# KiCad board panel.opm-lowside.kicad_pcb (continued)
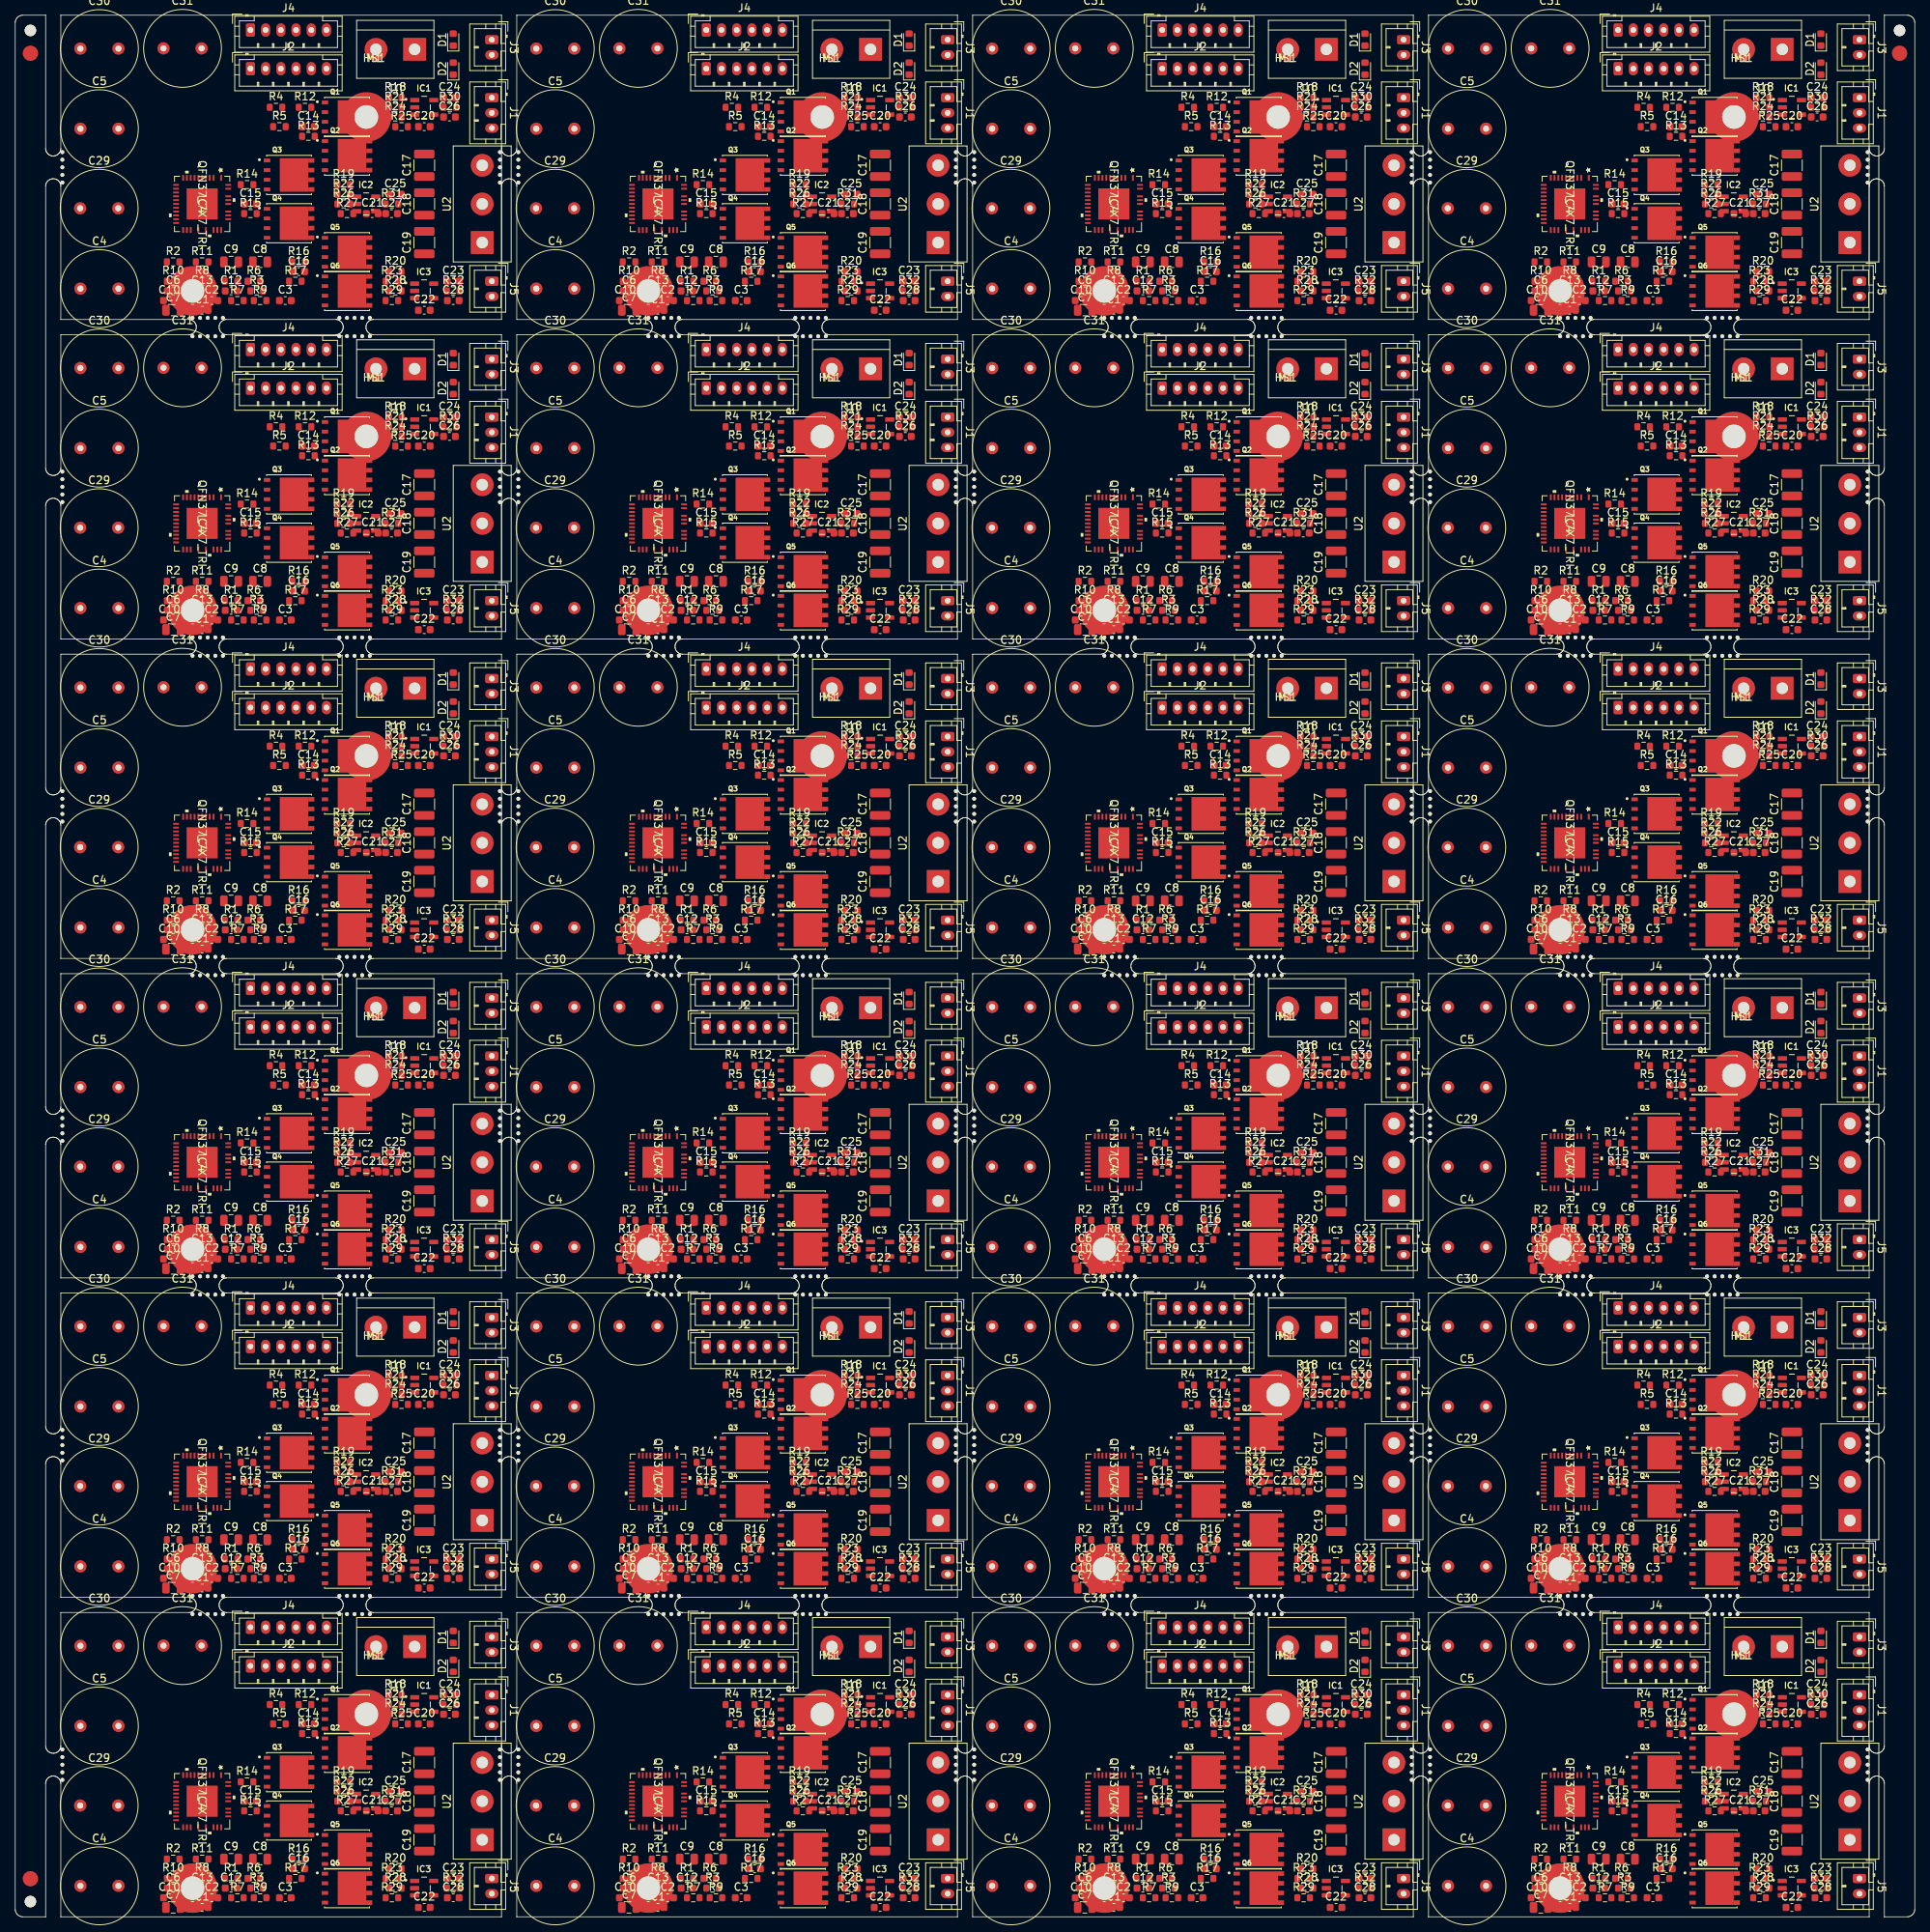
[diagram p0: board, top side]
## Placement (name value [footprint] x y rotation side) (continued)
C13#5  100nF/100V  [C_0603_1608Metric]  24.58 171.73 0 top
C13#6  100nF/100V  [C_0603_1608Metric]  84.53 171.73 0 top
C13#7  100nF/100V  [C_0603_1608Metric]  144.48 171.73 0 top
C13#8  100nF/100V  [C_0603_1608Metric]  204.43 171.73 0 top
C13#9  100nF/100V  [C_0603_1608Metric]  24.58 129.74 0 top
C13#10  100nF/100V  [C_0603_1608Metric]  84.53 129.74 0 top
C13#11  100nF/100V  [C_0603_1608Metric]  144.48 129.74 0 top
C13#12  100nF/100V  [C_0603_1608Metric]  204.43 129.74 0 top
C13#13  100nF/100V  [C_0603_1608Metric]  24.58 87.75 0 top
C13#14  100nF/100V  [C_0603_1608Metric]  84.53 87.75 0 top
C13#15  100nF/100V  [C_0603_1608Metric]  144.48 87.75 0 top
C13#16  100nF/100V  [C_0603_1608Metric]  204.43 87.75 0 top
C13#17  100nF/100V  [C_0603_1608Metric]  24.58 45.76 0 top
C13#18  100nF/100V  [C_0603_1608Metric]  84.53 45.76 0 top
C13#19  100nF/100V  [C_0603_1608Metric]  144.48 45.76 0 top
C13#20  100nF/100V  [C_0603_1608Metric]  204.43 45.76 0 top
C13#21  100nF/100V  [C_0603_1608Metric]  24.58 3.77 0 top
C13#22  100nF/100V  [C_0603_1608Metric]  84.53 3.77 0 top
C13#23  100nF/100V  [C_0603_1608Metric]  144.48 3.77 0 top
C13#24  100nF/100V  [C_0603_1608Metric]  204.43 3.77 0 top
C14  470nF/16V  [C_0603_1608Metric]  38.55 235.31 0 top
C14#2  470nF/16V  [C_0603_1608Metric]  98.5 235.31 0 top
C14#3  470nF/16V  [C_0603_1608Metric]  158.45 235.31 0 top
C14#4  470nF/16V  [C_0603_1608Metric]  218.4 235.31 0 top
C14#5  470nF/16V  [C_0603_1608Metric]  38.55 193.32 0 top
C14#6  470nF/16V  [C_0603_1608Metric]  98.5 193.32 0 top
C14#7  470nF/16V  [C_0603_1608Metric]  158.45 193.32 0 top
C14#8  470nF/16V  [C_0603_1608Metric]  218.4 193.32 0 top
C14#9  470nF/16V  [C_0603_1608Metric]  38.55 151.33 0 top
C14#10  470nF/16V  [C_0603_1608Metric]  98.5 151.33 0 top
C14#11  470nF/16V  [C_0603_1608Metric]  158.45 151.33 0 top
C14#12  470nF/16V  [C_0603_1608Metric]  218.4 151.33 0 top
C14#13  470nF/16V  [C_0603_1608Metric]  38.55 109.34 0 top
C14#14  470nF/16V  [C_0603_1608Metric]  98.5 109.34 0 top
C14#15  470nF/16V  [C_0603_1608Metric]  158.45 109.34 0 top
C14#16  470nF/16V  [C_0603_1608Metric]  218.4 109.34 0 top
C14#17  470nF/16V  [C_0603_1608Metric]  38.55 67.35 0 top
C14#18  470nF/16V  [C_0603_1608Metric]  98.5 67.35 0 top
C14#19  470nF/16V  [C_0603_1608Metric]  158.45 67.35 0 top
C14#20  470nF/16V  [C_0603_1608Metric]  218.4 67.35 0 top
C14#21  470nF/16V  [C_0603_1608Metric]  38.55 25.36 0 top
C14#22  470nF/16V  [C_0603_1608Metric]  98.5 25.36 0 top
C14#23  470nF/16V  [C_0603_1608Metric]  158.45 25.36 0 top
C14#24  470nF/16V  [C_0603_1608Metric]  218.4 25.36 0 top
C15  470nF/16V  [C_0603_1608Metric]  30.93 225.15 0 top
C15#2  470nF/16V  [C_0603_1608Metric]  90.88 225.15 0 top
C15#3  470nF/16V  [C_0603_1608Metric]  150.83 225.15 0 top
C15#4  470nF/16V  [C_0603_1608Metric]  210.78 225.15 0 top
C15#5  470nF/16V  [C_0603_1608Metric]  30.93 183.16 0 top
C15#6  470nF/16V  [C_0603_1608Metric]  90.88 183.16 0 top
C15#7  470nF/16V  [C_0603_1608Metric]  150.83 183.16 0 top
C15#8  470nF/16V  [C_0603_1608Metric]  210.78 183.16 0 top
C15#9  470nF/16V  [C_0603_1608Metric]  30.93 141.17 0 top
C15#10  470nF/16V  [C_0603_1608Metric]  90.88 141.17 0 top
C15#11  470nF/16V  [C_0603_1608Metric]  150.83 141.17 0 top
C15#12  470nF/16V  [C_0603_1608Metric]  210.78 141.17 0 top
C15#13  470nF/16V  [C_0603_1608Metric]  30.93 99.18 0 top
C15#14  470nF/16V  [C_0603_1608Metric]  90.88 99.18 0 top
C15#15  470nF/16V  [C_0603_1608Metric]  150.83 99.18 0 top
C15#16  470nF/16V  [C_0603_1608Metric]  210.78 99.18 0 top
C15#17  470nF/16V  [C_0603_1608Metric]  30.93 57.19 0 top
C15#18  470nF/16V  [C_0603_1608Metric]  90.88 57.19 0 top
C15#19  470nF/16V  [C_0603_1608Metric]  150.83 57.19 0 top
C15#20  470nF/16V  [C_0603_1608Metric]  210.78 57.19 0 top
C15#21  470nF/16V  [C_0603_1608Metric]  30.93 15.2 0 top
C15#22  470nF/16V  [C_0603_1608Metric]  90.88 15.2 0 top
C15#23  470nF/16V  [C_0603_1608Metric]  150.83 15.2 0 top
C15#24  470nF/16V  [C_0603_1608Metric]  210.78 15.2 0 top
C16  470nF/16V  [C_0603_1608Metric]  37.28 216.26 0 top
C16#2  470nF/16V  [C_0603_1608Metric]  97.23 216.26 0 top
C16#3  470nF/16V  [C_0603_1608Metric]  157.18 216.26 0 top
C16#4  470nF/16V  [C_0603_1608Metric]  217.13 216.26 0 top
C16#5  470nF/16V  [C_0603_1608Metric]  37.28 174.27 0 top
C16#6  470nF/16V  [C_0603_1608Metric]  97.23 174.27 0 top
C16#7  470nF/16V  [C_0603_1608Metric]  157.18 174.27 0 top
C16#8  470nF/16V  [C_0603_1608Metric]  217.13 174.27 0 top
C16#9  470nF/16V  [C_0603_1608Metric]  37.28 132.28 0 top
C16#10  470nF/16V  [C_0603_1608Metric]  97.23 132.28 0 top
C16#11  470nF/16V  [C_0603_1608Metric]  157.18 132.28 0 top
C16#12  470nF/16V  [C_0603_1608Metric]  217.13 132.28 0 top
C16#13  470nF/16V  [C_0603_1608Metric]  37.28 90.29 0 top
C16#14  470nF/16V  [C_0603_1608Metric]  97.23 90.29 0 top
C16#15  470nF/16V  [C_0603_1608Metric]  157.18 90.29 0 top
C16#16  470nF/16V  [C_0603_1608Metric]  217.13 90.29 0 top
C16#17  470nF/16V  [C_0603_1608Metric]  37.28 48.3 0 top
C16#18  470nF/16V  [C_0603_1608Metric]  97.23 48.3 0 top
C16#19  470nF/16V  [C_0603_1608Metric]  157.18 48.3 0 top
C16#20  470nF/16V  [C_0603_1608Metric]  217.13 48.3 0 top
C16#21  470nF/16V  [C_0603_1608Metric]  37.28 6.31 0 top
C16#22  470nF/16V  [C_0603_1608Metric]  97.23 6.31 0 top
C16#23  470nF/16V  [C_0603_1608Metric]  157.18 6.31 0 top
C16#24  470nF/16V  [C_0603_1608Metric]  217.13 6.31 0 top
C17  2.2μF/100V  [C_1210_3225Metric]  53.79 230.23 90 top
C17#2  2.2μF/100V  [C_1210_3225Metric]  113.74 230.23 90 top
C17#3  2.2μF/100V  [C_1210_3225Metric]  173.69 230.23 90 top
C17#4  2.2μF/100V  [C_1210_3225Metric]  233.64 230.23 90 top
C17#5  2.2μF/100V  [C_1210_3225Metric]  53.79 188.24 90 top
C17#6  2.2μF/100V  [C_1210_3225Metric]  113.74 188.24 90 top
C17#7  2.2μF/100V  [C_1210_3225Metric]  173.69 188.24 90 top
C17#8  2.2μF/100V  [C_1210_3225Metric]  233.64 188.24 90 top
C17#9  2.2μF/100V  [C_1210_3225Metric]  53.79 146.25 90 top
C17#10  2.2μF/100V  [C_1210_3225Metric]  113.74 146.25 90 top
C17#11  2.2μF/100V  [C_1210_3225Metric]  173.69 146.25 90 top
C17#12  2.2μF/100V  [C_1210_3225Metric]  233.64 146.25 90 top
C17#13  2.2μF/100V  [C_1210_3225Metric]  53.79 104.26 90 top
C17#14  2.2μF/100V  [C_1210_3225Metric]  113.74 104.26 90 top
C17#15  2.2μF/100V  [C_1210_3225Metric]  173.69 104.26 90 top
C17#16  2.2μF/100V  [C_1210_3225Metric]  233.64 104.26 90 top
C17#17  2.2μF/100V  [C_1210_3225Metric]  53.79 62.27 90 top
C17#18  2.2μF/100V  [C_1210_3225Metric]  113.74 62.27 90 top
C17#19  2.2μF/100V  [C_1210_3225Metric]  173.69 62.27 90 top
C17#20  2.2μF/100V  [C_1210_3225Metric]  233.64 62.27 90 top
C17#21  2.2μF/100V  [C_1210_3225Metric]  53.79 20.28 90 top
C17#22  2.2μF/100V  [C_1210_3225Metric]  113.74 20.28 90 top
C17#23  2.2μF/100V  [C_1210_3225Metric]  173.69 20.28 90 top
C17#24  2.2μF/100V  [C_1210_3225Metric]  233.64 20.28 90 top
C18  2,2μF/100V  [C_1210_3225Metric]  53.79 225.15 90 top
C18#2  2,2μF/100V  [C_1210_3225Metric]  113.74 225.15 90 top
C18#3  2,2μF/100V  [C_1210_3225Metric]  173.69 225.15 90 top
C18#4  2,2μF/100V  [C_1210_3225Metric]  233.64 225.15 90 top
C18#5  2,2μF/100V  [C_1210_3225Metric]  53.79 183.16 90 top
C18#6  2,2μF/100V  [C_1210_3225Metric]  113.74 183.16 90 top
C18#7  2,2μF/100V  [C_1210_3225Metric]  173.69 183.16 90 top
C18#8  2,2μF/100V  [C_1210_3225Metric]  233.64 183.16 90 top
C18#9  2,2μF/100V  [C_1210_3225Metric]  53.79 141.17 90 top
C18#10  2,2μF/100V  [C_1210_3225Metric]  113.74 141.17 90 top
C18#11  2,2μF/100V  [C_1210_3225Metric]  173.69 141.17 90 top
C18#12  2,2μF/100V  [C_1210_3225Metric]  233.64 141.17 90 top
C18#13  2,2μF/100V  [C_1210_3225Metric]  53.79 99.18 90 top
C18#14  2,2μF/100V  [C_1210_3225Metric]  113.74 99.18 90 top
C18#15  2,2μF/100V  [C_1210_3225Metric]  173.69 99.18 90 top
C18#16  2,2μF/100V  [C_1210_3225Metric]  233.64 99.18 90 top
C18#17  2,2μF/100V  [C_1210_3225Metric]  53.79 57.19 90 top
C18#18  2,2μF/100V  [C_1210_3225Metric]  113.74 57.19 90 top
C18#19  2,2μF/100V  [C_1210_3225Metric]  173.69 57.19 90 top
C18#20  2,2μF/100V  [C_1210_3225Metric]  233.64 57.19 90 top
C18#21  2,2μF/100V  [C_1210_3225Metric]  53.79 15.2 90 top
C18#22  2,2μF/100V  [C_1210_3225Metric]  113.74 15.2 90 top
C18#23  2,2μF/100V  [C_1210_3225Metric]  173.69 15.2 90 top
C18#24  2,2μF/100V  [C_1210_3225Metric]  233.64 15.2 90 top
C19  2,2μF/100V  [C_1210_3225Metric]  53.79 220.07 90 top
C19#2  2,2μF/100V  [C_1210_3225Metric]  113.74 220.07 90 top
C19#3  2,2μF/100V  [C_1210_3225Metric]  173.69 220.07 90 top
C19#4  2,2μF/100V  [C_1210_3225Metric]  233.64 220.07 90 top
C19#5  2,2μF/100V  [C_1210_3225Metric]  53.79 178.08 90 top
C19#6  2,2μF/100V  [C_1210_3225Metric]  113.74 178.08 90 top
C19#7  2,2μF/100V  [C_1210_3225Metric]  173.69 178.08 90 top
C19#8  2,2μF/100V  [C_1210_3225Metric]  233.64 178.08 90 top
C19#9  2,2μF/100V  [C_1210_3225Metric]  53.79 136.09 90 top
C19#10  2,2μF/100V  [C_1210_3225Metric]  113.74 136.09 90 top
C19#11  2,2μF/100V  [C_1210_3225Metric]  173.69 136.09 90 top
C19#12  2,2μF/100V  [C_1210_3225Metric]  233.64 136.09 90 top
C19#13  2,2μF/100V  [C_1210_3225Metric]  53.79 94.1 90 top
C19#14  2,2μF/100V  [C_1210_3225Metric]  113.74 94.1 90 top
C19#15  2,2μF/100V  [C_1210_3225Metric]  173.69 94.1 90 top
C19#16  2,2μF/100V  [C_1210_3225Metric]  233.64 94.1 90 top
C19#17  2,2μF/100V  [C_1210_3225Metric]  53.79 52.11 90 top
C19#18  2,2μF/100V  [C_1210_3225Metric]  113.74 52.11 90 top
C19#19  2,2μF/100V  [C_1210_3225Metric]  173.69 52.11 90 top
C19#20  2,2μF/100V  [C_1210_3225Metric]  233.64 52.11 90 top
C19#21  2,2μF/100V  [C_1210_3225Metric]  53.79 10.12 90 top
C19#22  2,2μF/100V  [C_1210_3225Metric]  113.74 10.12 90 top
C19#23  2,2μF/100V  [C_1210_3225Metric]  173.69 10.12 90 top
C19#24  2,2μF/100V  [C_1210_3225Metric]  233.64 10.12 90 top
C20  3300pF  [C_0603_1608Metric]  53.79 235.31 0 top
C20#2  3300pF  [C_0603_1608Metric]  113.74 235.31 0 top
C20#3  3300pF  [C_0603_1608Metric]  173.69 235.31 0 top
C20#4  3300pF  [C_0603_1608Metric]  233.64 235.31 0 top
C20#5  3300pF  [C_0603_1608Metric]  53.79 193.32 0 top
C20#6  3300pF  [C_0603_1608Metric]  113.74 193.32 0 top
C20#7  3300pF  [C_0603_1608Metric]  173.69 193.32 0 top
C20#8  3300pF  [C_0603_1608Metric]  233.64 193.32 0 top
C20#9  3300pF  [C_0603_1608Metric]  53.79 151.33 0 top
C20#10  3300pF  [C_0603_1608Metric]  113.74 151.33 0 top
C20#11  3300pF  [C_0603_1608Metric]  173.69 151.33 0 top
C20#12  3300pF  [C_0603_1608Metric]  233.64 151.33 0 top
C20#13  3300pF  [C_0603_1608Metric]  53.79 109.34 0 top
C20#14  3300pF  [C_0603_1608Metric]  113.74 109.34 0 top
C20#15  3300pF  [C_0603_1608Metric]  173.69 109.34 0 top
C20#16  3300pF  [C_0603_1608Metric]  233.64 109.34 0 top
C20#17  3300pF  [C_0603_1608Metric]  53.79 67.35 0 top
C20#18  3300pF  [C_0603_1608Metric]  113.74 67.35 0 top
C20#19  3300pF  [C_0603_1608Metric]  173.69 67.35 0 top
C20#20  3300pF  [C_0603_1608Metric]  233.64 67.35 0 top
C20#21  3300pF  [C_0603_1608Metric]  53.79 25.36 0 top
C20#22  3300pF  [C_0603_1608Metric]  113.74 25.36 0 top
C20#23  3300pF  [C_0603_1608Metric]  173.69 25.36 0 top
C20#24  3300pF  [C_0603_1608Metric]  233.64 25.36 0 top
C21  3300pF  [C_0603_1608Metric]  46.95 223.88 0 top
C21#2  3300pF  [C_0603_1608Metric]  106.9 223.88 0 top
C21#3  3300pF  [C_0603_1608Metric]  166.85 223.88 0 top
C21#4  3300pF  [C_0603_1608Metric]  226.8 223.88 0 top
C21#5  3300pF  [C_0603_1608Metric]  46.95 181.89 0 top
C21#6  3300pF  [C_0603_1608Metric]  106.9 181.89 0 top
C21#7  3300pF  [C_0603_1608Metric]  166.85 181.89 0 top
C21#8  3300pF  [C_0603_1608Metric]  226.8 181.89 0 top
C21#9  3300pF  [C_0603_1608Metric]  46.95 139.9 0 top
C21#10  3300pF  [C_0603_1608Metric]  106.9 139.9 0 top
C21#11  3300pF  [C_0603_1608Metric]  166.85 139.9 0 top
C21#12  3300pF  [C_0603_1608Metric]  226.8 139.9 0 top
C21#13  3300pF  [C_0603_1608Metric]  46.95 97.91 0 top
C21#14  3300pF  [C_0603_1608Metric]  106.9 97.91 0 top
C21#15  3300pF  [C_0603_1608Metric]  166.85 97.91 0 top
C21#16  3300pF  [C_0603_1608Metric]  226.8 97.91 0 top
C21#17  3300pF  [C_0603_1608Metric]  46.95 55.92 0 top
C21#18  3300pF  [C_0603_1608Metric]  106.9 55.92 0 top
C21#19  3300pF  [C_0603_1608Metric]  166.85 55.92 0 top
C21#20  3300pF  [C_0603_1608Metric]  226.8 55.92 0 top
C21#21  3300pF  [C_0603_1608Metric]  46.95 13.93 0 top
C21#22  3300pF  [C_0603_1608Metric]  106.9 13.93 0 top
C21#23  3300pF  [C_0603_1608Metric]  166.85 13.93 0 top
C21#24  3300pF  [C_0603_1608Metric]  226.8 13.93 0 top
C22  3300pF  [C_0603_1608Metric]  53.79 211.18 0 top
C22#2  3300pF  [C_0603_1608Metric]  113.74 211.18 0 top
C22#3  3300pF  [C_0603_1608Metric]  173.69 211.18 0 top
C22#4  3300pF  [C_0603_1608Metric]  233.64 211.18 0 top
C22#5  3300pF  [C_0603_1608Metric]  53.79 169.19 0 top
C22#6  3300pF  [C_0603_1608Metric]  113.74 169.19 0 top
C22#7  3300pF  [C_0603_1608Metric]  173.69 169.19 0 top
C22#8  3300pF  [C_0603_1608Metric]  233.64 169.19 0 top
C22#9  3300pF  [C_0603_1608Metric]  53.79 127.2 0 top
C22#10  3300pF  [C_0603_1608Metric]  113.74 127.2 0 top
C22#11  3300pF  [C_0603_1608Metric]  173.69 127.2 0 top
C22#12  3300pF  [C_0603_1608Metric]  233.64 127.2 0 top
C22#13  3300pF  [C_0603_1608Metric]  53.79 85.21 0 top
C22#14  3300pF  [C_0603_1608Metric]  113.74 85.21 0 top
C22#15  3300pF  [C_0603_1608Metric]  173.69 85.21 0 top
C22#16  3300pF  [C_0603_1608Metric]  233.64 85.21 0 top
C22#17  3300pF  [C_0603_1608Metric]  53.79 43.22 0 top
C22#18  3300pF  [C_0603_1608Metric]  113.74 43.22 0 top
C22#19  3300pF  [C_0603_1608Metric]  173.69 43.22 0 top
C22#20  3300pF  [C_0603_1608Metric]  233.64 43.22 0 top
C22#21  3300pF  [C_0603_1608Metric]  53.79 1.23 0 top
C22#22  3300pF  [C_0603_1608Metric]  113.74 1.23 0 top
C22#23  3300pF  [C_0603_1608Metric]  173.69 1.23 0 top
C22#24  3300pF  [C_0603_1608Metric]  233.64 1.23 0 top
C23  100nF/10V  [C_0603_1608Metric]  57.6 214.99 0 top
C23#2  100nF/10V  [C_0603_1608Metric]  117.55 214.99 0 top
C23#3  100nF/10V  [C_0603_1608Metric]  177.5 214.99 0 top
C23#4  100nF/10V  [C_0603_1608Metric]  237.45 214.99 0 top
C23#5  100nF/10V  [C_0603_1608Metric]  57.6 173 0 top
C23#6  100nF/10V  [C_0603_1608Metric]  117.55 173 0 top
C23#7  100nF/10V  [C_0603_1608Metric]  177.5 173 0 top
C23#8  100nF/10V  [C_0603_1608Metric]  237.45 173 0 top
C23#9  100nF/10V  [C_0603_1608Metric]  57.6 131.01 0 top
C23#10  100nF/10V  [C_0603_1608Metric]  117.55 131.01 0 top
C23#11  100nF/10V  [C_0603_1608Metric]  177.5 131.01 0 top
C23#12  100nF/10V  [C_0603_1608Metric]  237.45 131.01 0 top
C23#13  100nF/10V  [C_0603_1608Metric]  57.6 89.02 0 top
C23#14  100nF/10V  [C_0603_1608Metric]  117.55 89.02 0 top
C23#15  100nF/10V  [C_0603_1608Metric]  177.5 89.02 0 top
C23#16  100nF/10V  [C_0603_1608Metric]  237.45 89.02 0 top
C23#17  100nF/10V  [C_0603_1608Metric]  57.6 47.03 0 top
C23#18  100nF/10V  [C_0603_1608Metric]  117.55 47.03 0 top
C23#19  100nF/10V  [C_0603_1608Metric]  177.5 47.03 0 top
C23#20  100nF/10V  [C_0603_1608Metric]  237.45 47.03 0 top
C23#21  100nF/10V  [C_0603_1608Metric]  57.6 5.04 0 top
C23#22  100nF/10V  [C_0603_1608Metric]  117.55 5.04 0 top
C23#23  100nF/10V  [C_0603_1608Metric]  177.5 5.04 0 top
C23#24  100nF/10V  [C_0603_1608Metric]  237.45 5.04 0 top
C24  100nF/10V  [C_0603_1608Metric]  57.11 239.12 0 top
C24#2  100nF/10V  [C_0603_1608Metric]  117.06 239.12 0 top
C24#3  100nF/10V  [C_0603_1608Metric]  177.01 239.12 0 top
C24#4  100nF/10V  [C_0603_1608Metric]  236.96 239.12 0 top
C24#5  100nF/10V  [C_0603_1608Metric]  57.11 197.13 0 top
C24#6  100nF/10V  [C_0603_1608Metric]  117.06 197.13 0 top
C24#7  100nF/10V  [C_0603_1608Metric]  177.01 197.13 0 top
C24#8  100nF/10V  [C_0603_1608Metric]  236.96 197.13 0 top
C24#9  100nF/10V  [C_0603_1608Metric]  57.11 155.14 0 top
C24#10  100nF/10V  [C_0603_1608Metric]  117.06 155.14 0 top
C24#11  100nF/10V  [C_0603_1608Metric]  177.01 155.14 0 top
C24#12  100nF/10V  [C_0603_1608Metric]  236.96 155.14 0 top
C24#13  100nF/10V  [C_0603_1608Metric]  57.11 113.15 0 top
C24#14  100nF/10V  [C_0603_1608Metric]  117.06 113.15 0 top
C24#15  100nF/10V  [C_0603_1608Metric]  177.01 113.15 0 top
C24#16  100nF/10V  [C_0603_1608Metric]  236.96 113.15 0 top
C24#17  100nF/10V  [C_0603_1608Metric]  57.11 71.16 0 top
C24#18  100nF/10V  [C_0603_1608Metric]  117.06 71.16 0 top
C24#19  100nF/10V  [C_0603_1608Metric]  177.01 71.16 0 top
C24#20  100nF/10V  [C_0603_1608Metric]  236.96 71.16 0 top
C24#21  100nF/10V  [C_0603_1608Metric]  57.11 29.17 0 top
C24#22  100nF/10V  [C_0603_1608Metric]  117.06 29.17 0 top
C24#23  100nF/10V  [C_0603_1608Metric]  177.01 29.17 0 top
C24#24  100nF/10V  [C_0603_1608Metric]  236.96 29.17 0 top
C25  100nF/10V  [C_0603_1608Metric]  49.98 226.42 0 top
C25#2  100nF/10V  [C_0603_1608Metric]  109.93 226.42 0 top
C25#3  100nF/10V  [C_0603_1608Metric]  169.88 226.42 0 top
C25#4  100nF/10V  [C_0603_1608Metric]  229.83 226.42 0 top
C25#5  100nF/10V  [C_0603_1608Metric]  49.98 184.43 0 top
C25#6  100nF/10V  [C_0603_1608Metric]  109.93 184.43 0 top
C25#7  100nF/10V  [C_0603_1608Metric]  169.88 184.43 0 top
C25#8  100nF/10V  [C_0603_1608Metric]  229.83 184.43 0 top
C25#9  100nF/10V  [C_0603_1608Metric]  49.98 142.44 0 top
C25#10  100nF/10V  [C_0603_1608Metric]  109.93 142.44 0 top
C25#11  100nF/10V  [C_0603_1608Metric]  169.88 142.44 0 top
C25#12  100nF/10V  [C_0603_1608Metric]  229.83 142.44 0 top
C25#13  100nF/10V  [C_0603_1608Metric]  49.98 100.45 0 top
C25#14  100nF/10V  [C_0603_1608Metric]  109.93 100.45 0 top
C25#15  100nF/10V  [C_0603_1608Metric]  169.88 100.45 0 top
C25#16  100nF/10V  [C_0603_1608Metric]  229.83 100.45 0 top
C25#17  100nF/10V  [C_0603_1608Metric]  49.98 58.46 0 top
C25#18  100nF/10V  [C_0603_1608Metric]  109.93 58.46 0 top
C25#19  100nF/10V  [C_0603_1608Metric]  169.88 58.46 0 top
C25#20  100nF/10V  [C_0603_1608Metric]  229.83 58.46 0 top
C25#21  100nF/10V  [C_0603_1608Metric]  49.98 16.47 0 top
C25#22  100nF/10V  [C_0603_1608Metric]  109.93 16.47 0 top
C25#23  100nF/10V  [C_0603_1608Metric]  169.88 16.47 0 top
C25#24  100nF/10V  [C_0603_1608Metric]  229.83 16.47 0 top
C26  1nF/16V  [C_0603_1608Metric]  57.11 236.58 0 top
C26#2  1nF/16V  [C_0603_1608Metric]  117.06 236.58 0 top
C26#3  1nF/16V  [C_0603_1608Metric]  177.01 236.58 0 top
C26#4  1nF/16V  [C_0603_1608Metric]  236.96 236.58 0 top
C26#5  1nF/16V  [C_0603_1608Metric]  57.11 194.59 0 top
C26#6  1nF/16V  [C_0603_1608Metric]  117.06 194.59 0 top
C26#7  1nF/16V  [C_0603_1608Metric]  177.01 194.59 0 top
C26#8  1nF/16V  [C_0603_1608Metric]  236.96 194.59 0 top
C26#9  1nF/16V  [C_0603_1608Metric]  57.11 152.6 0 top
C26#10  1nF/16V  [C_0603_1608Metric]  117.06 152.6 0 top
C26#11  1nF/16V  [C_0603_1608Metric]  177.01 152.6 0 top
C26#12  1nF/16V  [C_0603_1608Metric]  236.96 152.6 0 top
C26#13  1nF/16V  [C_0603_1608Metric]  57.11 110.61 0 top
C26#14  1nF/16V  [C_0603_1608Metric]  117.06 110.61 0 top
C26#15  1nF/16V  [C_0603_1608Metric]  177.01 110.61 0 top
C26#16  1nF/16V  [C_0603_1608Metric]  236.96 110.61 0 top
C26#17  1nF/16V  [C_0603_1608Metric]  57.11 68.62 0 top
C26#18  1nF/16V  [C_0603_1608Metric]  117.06 68.62 0 top
C26#19  1nF/16V  [C_0603_1608Metric]  177.01 68.62 0 top
C26#20  1nF/16V  [C_0603_1608Metric]  236.96 68.62 0 top
C26#21  1nF/16V  [C_0603_1608Metric]  57.11 26.63 0 top
C26#22  1nF/16V  [C_0603_1608Metric]  117.06 26.63 0 top
C26#23  1nF/16V  [C_0603_1608Metric]  177.01 26.63 0 top
C26#24  1nF/16V  [C_0603_1608Metric]  236.96 26.63 0 top
C27  1nF/16V  [C_0603_1608Metric]  49.49 223.88 0 top
C27#2  1nF/16V  [C_0603_1608Metric]  109.44 223.88 0 top
C27#3  1nF/16V  [C_0603_1608Metric]  169.39 223.88 0 top
C27#4  1nF/16V  [C_0603_1608Metric]  229.34 223.88 0 top
C27#5  1nF/16V  [C_0603_1608Metric]  49.49 181.89 0 top
C27#6  1nF/16V  [C_0603_1608Metric]  109.44 181.89 0 top
C27#7  1nF/16V  [C_0603_1608Metric]  169.39 181.89 0 top
C27#8  1nF/16V  [C_0603_1608Metric]  229.34 181.89 0 top
C27#9  1nF/16V  [C_0603_1608Metric]  49.49 139.9 0 top
C27#10  1nF/16V  [C_0603_1608Metric]  109.44 139.9 0 top
C27#11  1nF/16V  [C_0603_1608Metric]  169.39 139.9 0 top
C27#12  1nF/16V  [C_0603_1608Metric]  229.34 139.9 0 top
C27#13  1nF/16V  [C_0603_1608Metric]  49.49 97.91 0 top
C27#14  1nF/16V  [C_0603_1608Metric]  109.44 97.91 0 top
C27#15  1nF/16V  [C_0603_1608Metric]  169.39 97.91 0 top
C27#16  1nF/16V  [C_0603_1608Metric]  229.34 97.91 0 top
C27#17  1nF/16V  [C_0603_1608Metric]  49.49 55.92 0 top
C27#18  1nF/16V  [C_0603_1608Metric]  109.44 55.92 0 top
C27#19  1nF/16V  [C_0603_1608Metric]  169.39 55.92 0 top
C27#20  1nF/16V  [C_0603_1608Metric]  229.34 55.92 0 top
C27#21  1nF/16V  [C_0603_1608Metric]  49.49 13.93 0 top
C27#22  1nF/16V  [C_0603_1608Metric]  109.44 13.93 0 top
C27#23  1nF/16V  [C_0603_1608Metric]  169.39 13.93 0 top
C27#24  1nF/16V  [C_0603_1608Metric]  229.34 13.93 0 top
C28  1nF/16V  [C_0603_1608Metric]  57.6 212.45 0 top
C28#2  1nF/16V  [C_0603_1608Metric]  117.55 212.45 0 top
C28#3  1nF/16V  [C_0603_1608Metric]  177.5 212.45 0 top
C28#4  1nF/16V  [C_0603_1608Metric]  237.45 212.45 0 top
C28#5  1nF/16V  [C_0603_1608Metric]  57.6 170.46 0 top
C28#6  1nF/16V  [C_0603_1608Metric]  117.55 170.46 0 top
C28#7  1nF/16V  [C_0603_1608Metric]  177.5 170.46 0 top
C28#8  1nF/16V  [C_0603_1608Metric]  237.45 170.46 0 top
C28#9  1nF/16V  [C_0603_1608Metric]  57.6 128.47 0 top
C28#10  1nF/16V  [C_0603_1608Metric]  117.55 128.47 0 top
C28#11  1nF/16V  [C_0603_1608Metric]  177.5 128.47 0 top
C28#12  1nF/16V  [C_0603_1608Metric]  237.45 128.47 0 top
C28#13  1nF/16V  [C_0603_1608Metric]  57.6 86.48 0 top
C28#14  1nF/16V  [C_0603_1608Metric]  117.55 86.48 0 top
C28#15  1nF/16V  [C_0603_1608Metric]  177.5 86.48 0 top
C28#16  1nF/16V  [C_0603_1608Metric]  237.45 86.48 0 top
C28#17  1nF/16V  [C_0603_1608Metric]  57.6 44.49 0 top
C28#18  1nF/16V  [C_0603_1608Metric]  117.55 44.49 0 top
C28#19  1nF/16V  [C_0603_1608Metric]  177.5 44.49 0 top
C28#20  1nF/16V  [C_0603_1608Metric]  237.45 44.49 0 top
C28#21  1nF/16V  [C_0603_1608Metric]  57.6 2.5 0 top
C28#22  1nF/16V  [C_0603_1608Metric]  117.55 2.5 0 top
C28#23  1nF/16V  [C_0603_1608Metric]  177.5 2.5 0 top
C28#24  1nF/16V  [C_0603_1608Metric]  237.45 2.5 0 top
C29  330uF/63V  [C_Radial_D10.0mm_H20.0mm_P5.00mm]  8.54 224.58 0 top
C29#2  330uF/63V  [C_Radial_D10.0mm_H20.0mm_P5.00mm]  68.49 224.58 0 top
C29#3  330uF/63V  [C_Radial_D10.0mm_H20.0mm_P5.00mm]  128.44 224.58 0 top
C29#4  330uF/63V  [C_Radial_D10.0mm_H20.0mm_P5.00mm]  188.39 224.58 0 top
C29#5  330uF/63V  [C_Radial_D10.0mm_H20.0mm_P5.00mm]  8.54 182.59 0 top
C29#6  330uF/63V  [C_Radial_D10.0mm_H20.0mm_P5.00mm]  68.49 182.59 0 top
C29#7  330uF/63V  [C_Radial_D10.0mm_H20.0mm_P5.00mm]  128.44 182.59 0 top
C29#8  330uF/63V  [C_Radial_D10.0mm_H20.0mm_P5.00mm]  188.39 182.59 0 top
C29#9  330uF/63V  [C_Radial_D10.0mm_H20.0mm_P5.00mm]  8.54 140.6 0 top
C29#10  330uF/63V  [C_Radial_D10.0mm_H20.0mm_P5.00mm]  68.49 140.6 0 top
C29#11  330uF/63V  [C_Radial_D10.0mm_H20.0mm_P5.00mm]  128.44 140.6 0 top
C29#12  330uF/63V  [C_Radial_D10.0mm_H20.0mm_P5.00mm]  188.39 140.6 0 top
C29#13  330uF/63V  [C_Radial_D10.0mm_H20.0mm_P5.00mm]  8.54 98.61 0 top
C29#14  330uF/63V  [C_Radial_D10.0mm_H20.0mm_P5.00mm]  68.49 98.61 0 top
C29#15  330uF/63V  [C_Radial_D10.0mm_H20.0mm_P5.00mm]  128.44 98.61 0 top
C29#16  330uF/63V  [C_Radial_D10.0mm_H20.0mm_P5.00mm]  188.39 98.61 0 top
C29#17  330uF/63V  [C_Radial_D10.0mm_H20.0mm_P5.00mm]  8.54 56.62 0 top
C29#18  330uF/63V  [C_Radial_D10.0mm_H20.0mm_P5.00mm]  68.49 56.62 0 top
C29#19  330uF/63V  [C_Radial_D10.0mm_H20.0mm_P5.00mm]  128.44 56.62 0 top
C29#20  330uF/63V  [C_Radial_D10.0mm_H20.0mm_P5.00mm]  188.39 56.62 0 top
C29#21  330uF/63V  [C_Radial_D10.0mm_H20.0mm_P5.00mm]  8.54 14.63 0 top
C29#22  330uF/63V  [C_Radial_D10.0mm_H20.0mm_P5.00mm]  68.49 14.63 0 top
C29#23  330uF/63V  [C_Radial_D10.0mm_H20.0mm_P5.00mm]  128.44 14.63 0 top
C29#24  330uF/63V  [C_Radial_D10.0mm_H20.0mm_P5.00mm]  188.39 14.63 0 top
C30  330uF/63V  [C_Radial_D10.0mm_H20.0mm_P5.00mm]  8.57 245.57 0 top
C30#2  330uF/63V  [C_Radial_D10.0mm_H20.0mm_P5.00mm]  68.52 245.57 0 top
C30#3  330uF/63V  [C_Radial_D10.0mm_H20.0mm_P5.00mm]  128.47 245.57 0 top
C30#4  330uF/63V  [C_Radial_D10.0mm_H20.0mm_P5.00mm]  188.42 245.57 0 top
C30#5  330uF/63V  [C_Radial_D10.0mm_H20.0mm_P5.00mm]  8.57 203.58 0 top
C30#6  330uF/63V  [C_Radial_D10.0mm_H20.0mm_P5.00mm]  68.52 203.58 0 top
C30#7  330uF/63V  [C_Radial_D10.0mm_H20.0mm_P5.00mm]  128.47 203.58 0 top
C30#8  330uF/63V  [C_Radial_D10.0mm_H20.0mm_P5.00mm]  188.42 203.58 0 top
C30#9  330uF/63V  [C_Radial_D10.0mm_H20.0mm_P5.00mm]  8.57 161.59 0 top
C30#10  330uF/63V  [C_Radial_D10.0mm_H20.0mm_P5.00mm]  68.52 161.59 0 top
C30#11  330uF/63V  [C_Radial_D10.0mm_H20.0mm_P5.00mm]  128.47 161.59 0 top
C30#12  330uF/63V  [C_Radial_D10.0mm_H20.0mm_P5.00mm]  188.42 161.59 0 top
C30#13  330uF/63V  [C_Radial_D10.0mm_H20.0mm_P5.00mm]  8.57 119.6 0 top
C30#14  330uF/63V  [C_Radial_D10.0mm_H20.0mm_P5.00mm]  68.52 119.6 0 top
C30#15  330uF/63V  [C_Radial_D10.0mm_H20.0mm_P5.00mm]  128.47 119.6 0 top
C30#16  330uF/63V  [C_Radial_D10.0mm_H20.0mm_P5.00mm]  188.42 119.6 0 top
C30#17  330uF/63V  [C_Radial_D10.0mm_H20.0mm_P5.00mm]  8.57 77.61 0 top
C30#18  330uF/63V  [C_Radial_D10.0mm_H20.0mm_P5.00mm]  68.52 77.61 0 top
C30#19  330uF/63V  [C_Radial_D10.0mm_H20.0mm_P5.00mm]  128.47 77.61 0 top
C30#20  330uF/63V  [C_Radial_D10.0mm_H20.0mm_P5.00mm]  188.42 77.61 0 top
C30#21  330uF/63V  [C_Radial_D10.0mm_H20.0mm_P5.00mm]  8.57 35.62 0 top
C30#22  330uF/63V  [C_Radial_D10.0mm_H20.0mm_P5.00mm]  68.52 35.62 0 top
C30#23  330uF/63V  [C_Radial_D10.0mm_H20.0mm_P5.00mm]  128.47 35.62 0 top
C30#24  330uF/63V  [C_Radial_D10.0mm_H20.0mm_P5.00mm]  188.42 35.62 0 top
C31  330uF/63V  [C_Radial_D10.0mm_H20.0mm_P5.00mm]  19.5 245.6 0 top
C31#2  330uF/63V  [C_Radial_D10.0mm_H20.0mm_P5.00mm]  79.45 245.6 0 top
C31#3  330uF/63V  [C_Radial_D10.0mm_H20.0mm_P5.00mm]  139.4 245.6 0 top
C31#4  330uF/63V  [C_Radial_D10.0mm_H20.0mm_P5.00mm]  199.35 245.6 0 top
C31#5  330uF/63V  [C_Radial_D10.0mm_H20.0mm_P5.00mm]  19.5 203.61 0 top
C31#6  330uF/63V  [C_Radial_D10.0mm_H20.0mm_P5.00mm]  79.45 203.61 0 top
C31#7  330uF/63V  [C_Radial_D10.0mm_H20.0mm_P5.00mm]  139.4 203.61 0 top
C31#8  330uF/63V  [C_Radial_D10.0mm_H20.0mm_P5.00mm]  199.35 203.61 0 top
C31#9  330uF/63V  [C_Radial_D10.0mm_H20.0mm_P5.00mm]  19.5 161.62 0 top
C31#10  330uF/63V  [C_Radial_D10.0mm_H20.0mm_P5.00mm]  79.45 161.62 0 top
C31#11  330uF/63V  [C_Radial_D10.0mm_H20.0mm_P5.00mm]  139.4 161.62 0 top
C31#12  330uF/63V  [C_Radial_D10.0mm_H20.0mm_P5.00mm]  199.35 161.62 0 top
C31#13  330uF/63V  [C_Radial_D10.0mm_H20.0mm_P5.00mm]  19.5 119.63 0 top
C31#14  330uF/63V  [C_Radial_D10.0mm_H20.0mm_P5.00mm]  79.45 119.63 0 top
C31#15  330uF/63V  [C_Radial_D10.0mm_H20.0mm_P5.00mm]  139.4 119.63 0 top
C31#16  330uF/63V  [C_Radial_D10.0mm_H20.0mm_P5.00mm]  199.35 119.63 0 top
C31#17  330uF/63V  [C_Radial_D10.0mm_H20.0mm_P5.00mm]  19.5 77.64 0 top
C31#18  330uF/63V  [C_Radial_D10.0mm_H20.0mm_P5.00mm]  79.45 77.64 0 top
C31#19  330uF/63V  [C_Radial_D10.0mm_H20.0mm_P5.00mm]  139.4 77.64 0 top
C31#20  330uF/63V  [C_Radial_D10.0mm_H20.0mm_P5.00mm]  199.35 77.64 0 top
C31#21  330uF/63V  [C_Radial_D10.0mm_H20.0mm_P5.00mm]  19.5 35.65 0 top
C31#22  330uF/63V  [C_Radial_D10.0mm_H20.0mm_P5.00mm]  79.45 35.65 0 top
C31#23  330uF/63V  [C_Radial_D10.0mm_H20.0mm_P5.00mm]  139.4 35.65 0 top
C31#24  330uF/63V  [C_Radial_D10.0mm_H20.0mm_P5.00mm]  199.35 35.65 0 top
D1  19-217/GHC-YR1S2/3T  [LED_0603_1608Metric]  57.6 246.74 90 top
D1#2  19-217/GHC-YR1S2/3T  [LED_0603_1608Metric]  117.55 246.74 90 top
D1#3  19-217/GHC-YR1S2/3T  [LED_0603_1608Metric]  177.5 246.74 90 top
D1#4  19-217/GHC-YR1S2/3T  [LED_0603_1608Metric]  237.45 246.74 90 top
D1#5  19-217/GHC-YR1S2/3T  [LED_0603_1608Metric]  57.6 204.75 90 top
D1#6  19-217/GHC-YR1S2/3T  [LED_0603_1608Metric]  117.55 204.75 90 top
D1#7  19-217/GHC-YR1S2/3T  [LED_0603_1608Metric]  177.5 204.75 90 top
D1#8  19-217/GHC-YR1S2/3T  [LED_0603_1608Metric]  237.45 204.75 90 top
D1#9  19-217/GHC-YR1S2/3T  [LED_0603_1608Metric]  57.6 162.76 90 top
D1#10  19-217/GHC-YR1S2/3T  [LED_0603_1608Metric]  117.55 162.76 90 top
D1#11  19-217/GHC-YR1S2/3T  [LED_0603_1608Metric]  177.5 162.76 90 top
D1#12  19-217/GHC-YR1S2/3T  [LED_0603_1608Metric]  237.45 162.76 90 top
D1#13  19-217/GHC-YR1S2/3T  [LED_0603_1608Metric]  57.6 120.77 90 top
D1#14  19-217/GHC-YR1S2/3T  [LED_0603_1608Metric]  117.55 120.77 90 top
D1#15  19-217/GHC-YR1S2/3T  [LED_0603_1608Metric]  177.5 120.77 90 top
D1#16  19-217/GHC-YR1S2/3T  [LED_0603_1608Metric]  237.45 120.77 90 top
D1#17  19-217/GHC-YR1S2/3T  [LED_0603_1608Metric]  57.6 78.78 90 top
D1#18  19-217/GHC-YR1S2/3T  [LED_0603_1608Metric]  117.55 78.78 90 top
D1#19  19-217/GHC-YR1S2/3T  [LED_0603_1608Metric]  177.5 78.78 90 top
D1#20  19-217/GHC-YR1S2/3T  [LED_0603_1608Metric]  237.45 78.78 90 top
D1#21  19-217/GHC-YR1S2/3T  [LED_0603_1608Metric]  57.6 36.79 90 top
D1#22  19-217/GHC-YR1S2/3T  [LED_0603_1608Metric]  117.55 36.79 90 top
D1#23  19-217/GHC-YR1S2/3T  [LED_0603_1608Metric]  177.5 36.79 90 top
D1#24  19-217/GHC-YR1S2/3T  [LED_0603_1608Metric]  237.45 36.79 90 top
D2  19-217/GHC-YR1S2/3T  [LED_0603_1608Metric]  57.6 242.93 90 top
D2#2  19-217/GHC-YR1S2/3T  [LED_0603_1608Metric]  117.55 242.93 90 top
D2#3  19-217/GHC-YR1S2/3T  [LED_0603_1608Metric]  177.5 242.93 90 top
D2#4  19-217/GHC-YR1S2/3T  [LED_0603_1608Metric]  237.45 242.93 90 top
D2#5  19-217/GHC-YR1S2/3T  [LED_0603_1608Metric]  57.6 200.94 90 top
D2#6  19-217/GHC-YR1S2/3T  [LED_0603_1608Metric]  117.55 200.94 90 top
D2#7  19-217/GHC-YR1S2/3T  [LED_0603_1608Metric]  177.5 200.94 90 top
D2#8  19-217/GHC-YR1S2/3T  [LED_0603_1608Metric]  237.45 200.94 90 top
D2#9  19-217/GHC-YR1S2/3T  [LED_0603_1608Metric]  57.6 158.95 90 top
D2#10  19-217/GHC-YR1S2/3T  [LED_0603_1608Metric]  117.55 158.95 90 top
D2#11  19-217/GHC-YR1S2/3T  [LED_0603_1608Metric]  177.5 158.95 90 top
D2#12  19-217/GHC-YR1S2/3T  [LED_0603_1608Metric]  237.45 158.95 90 top
D2#13  19-217/GHC-YR1S2/3T  [LED_0603_1608Metric]  57.6 116.96 90 top
D2#14  19-217/GHC-YR1S2/3T  [LED_0603_1608Metric]  117.55 116.96 90 top
D2#15  19-217/GHC-YR1S2/3T  [LED_0603_1608Metric]  177.5 116.96 90 top
D2#16  19-217/GHC-YR1S2/3T  [LED_0603_1608Metric]  237.45 116.96 90 top
D2#17  19-217/GHC-YR1S2/3T  [LED_0603_1608Metric]  57.6 74.97 90 top
D2#18  19-217/GHC-YR1S2/3T  [LED_0603_1608Metric]  117.55 74.97 90 top
D2#19  19-217/GHC-YR1S2/3T  [LED_0603_1608Metric]  177.5 74.97 90 top
D2#20  19-217/GHC-YR1S2/3T  [LED_0603_1608Metric]  237.45 74.97 90 top
D2#21  19-217/GHC-YR1S2/3T  [LED_0603_1608Metric]  57.6 32.98 90 top
D2#22  19-217/GHC-YR1S2/3T  [LED_0603_1608Metric]  117.55 32.98 90 top
D2#23  19-217/GHC-YR1S2/3T  [LED_0603_1608Metric]  177.5 32.98 90 top
D2#24  19-217/GHC-YR1S2/3T  [LED_0603_1608Metric]  237.45 32.98 90 top
HS1  Heatsink  [Heatsink_30x30mm_2xFixation3mm]  19.5 209.91 0 top
HS1#2  Heatsink  [Heatsink_30x30mm_2xFixation3mm]  79.45 209.91 0 top
HS1#3  Heatsink  [Heatsink_30x30mm_2xFixation3mm]  139.4 209.91 0 top
HS1#4  Heatsink  [Heatsink_30x30mm_2xFixation3mm]  199.35 209.91 0 top
HS1#5  Heatsink  [Heatsink_30x30mm_2xFixation3mm]  19.5 167.92 0 top
HS1#6  Heatsink  [Heatsink_30x30mm_2xFixation3mm]  79.45 167.92 0 top
HS1#7  Heatsink  [Heatsink_30x30mm_2xFixation3mm]  139.4 167.92 0 top
HS1#8  Heatsink  [Heatsink_30x30mm_2xFixation3mm]  199.35 167.92 0 top
HS1#9  Heatsink  [Heatsink_30x30mm_2xFixation3mm]  19.5 125.93 0 top
HS1#10  Heatsink  [Heatsink_30x30mm_2xFixation3mm]  79.45 125.93 0 top
HS1#11  Heatsink  [Heatsink_30x30mm_2xFixation3mm]  139.4 125.93 0 top
HS1#12  Heatsink  [Heatsink_30x30mm_2xFixation3mm]  199.35 125.93 0 top
HS1#13  Heatsink  [Heatsink_30x30mm_2xFixation3mm]  19.5 83.94 0 top
HS1#14  Heatsink  [Heatsink_30x30mm_2xFixation3mm]  79.45 83.94 0 top
HS1#15  Heatsink  [Heatsink_30x30mm_2xFixation3mm]  139.4 83.94 0 top
HS1#16  Heatsink  [Heatsink_30x30mm_2xFixation3mm]  199.35 83.94 0 top
HS1#17  Heatsink  [Heatsink_30x30mm_2xFixation3mm]  19.5 41.95 0 top
HS1#18  Heatsink  [Heatsink_30x30mm_2xFixation3mm]  79.45 41.95 0 top
HS1#19  Heatsink  [Heatsink_30x30mm_2xFixation3mm]  139.4 41.95 0 top
HS1#20  Heatsink  [Heatsink_30x30mm_2xFixation3mm]  199.35 41.95 0 top
HS1#21  Heatsink  [Heatsink_30x30mm_2xFixation3mm]  19.5 -0.04 0 top
HS1#22  Heatsink  [Heatsink_30x30mm_2xFixation3mm]  79.45 -0.04 0 top
